# Altium PCB JTAG-批量下载V06.PcbDoc (part 5 of 13) (continued)
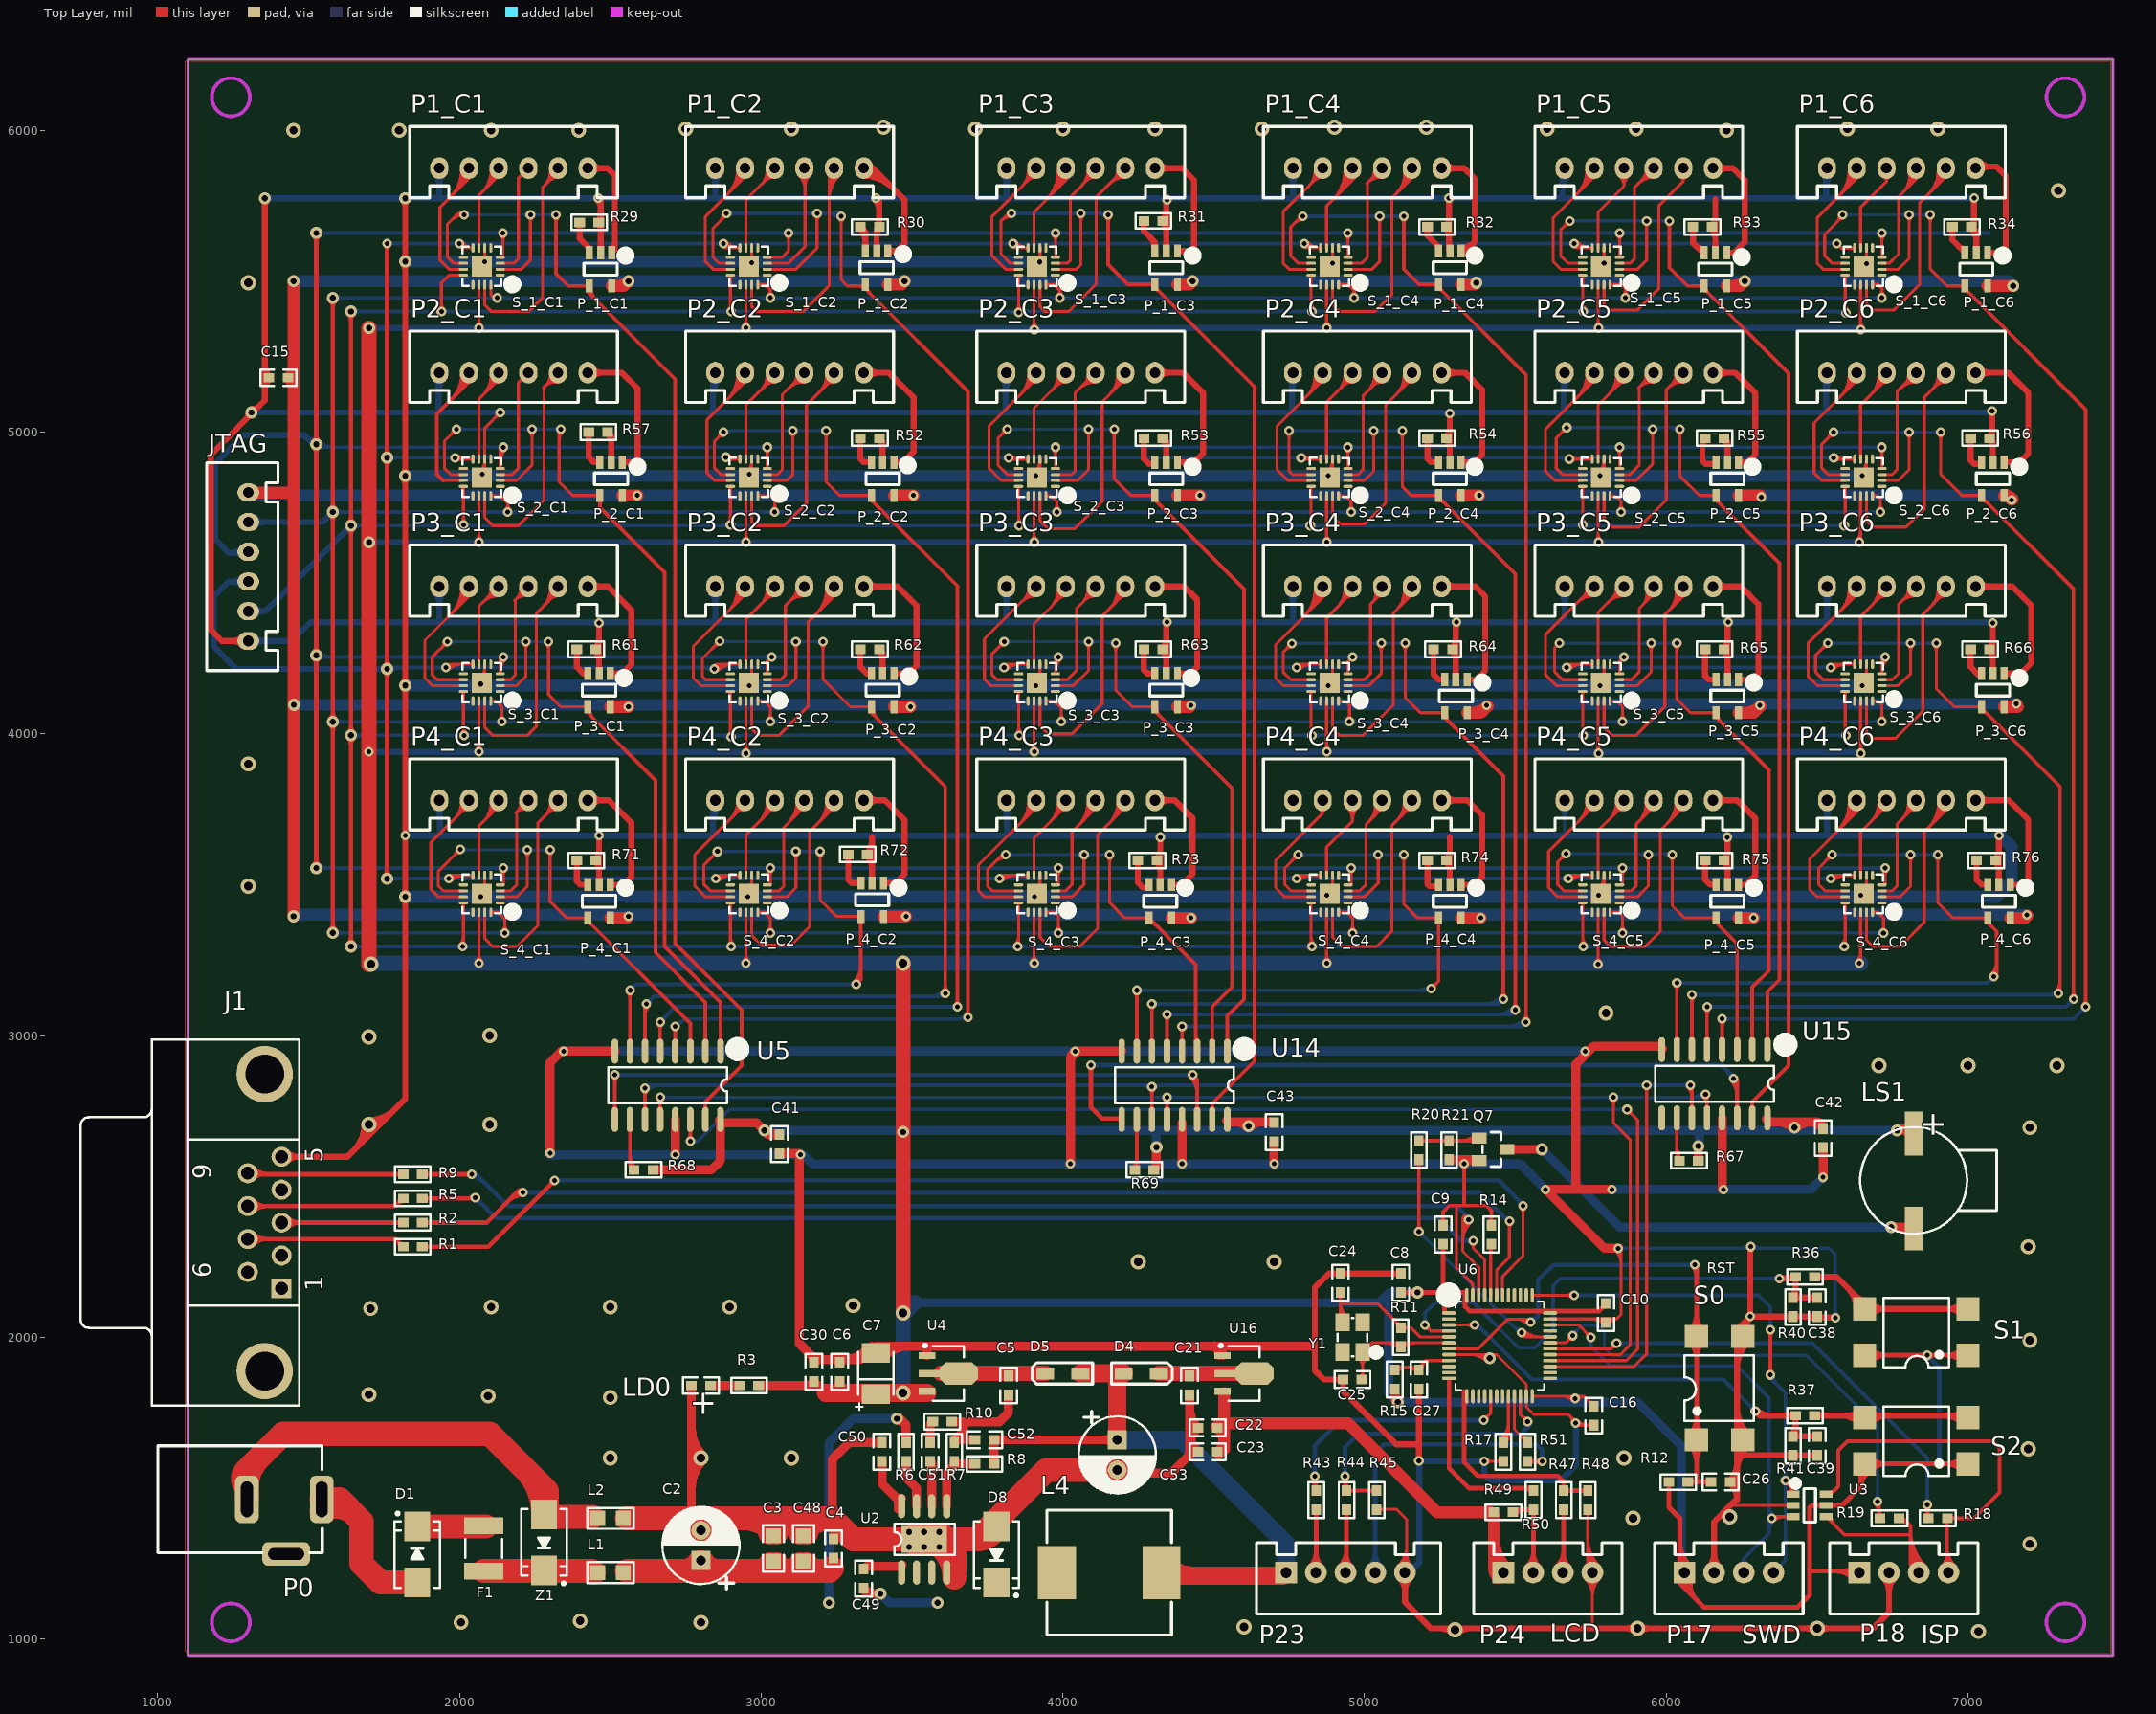
[diagram p0: Top Layer view]
## Nets (pads, with @x,y where several pads share a name; then routed paths per layer and width w, separated by ;. In a path a pad name is that pad's centre, name@x,y a point inside that pad or via, vN(x,y) a via of type N, cw(c..) or ccw(c..) an arc to the next point about the centre after c; other vN are vias at no path point) (continued)
  Top Layer w20: JTAG.6@1300,4307.87 1212.13,4307.87 1175,4345 1175,4925 1355,5105 v3(1355,5775) ; J1.5@1409.92,2598.11 1628.11,2598.11 1820,2790 v3(1820,5775) ; 1649.64,2619.64 ccw(c1564.29,2705) v2@1685,2705 ; 1683.79,2653.79 ccw(c1632.57,2705) v2@1705,2705 ; v2@1700,2700 ccw(c1700,2772.43) 1751.21,2721.21 ; v2@1700,2720 ccw(c1700,2840.71) 1785.36,2755.36 ; v1(2460,5775) 2467.6,5767.4 P_1_C1.2@2467.6,5595 ; P_4_C1.2@2462.6,3500 v1(2462.6,3662.6) ; P_3_C1.2@2462.6,4200 v1(2462.6,4367.6) ; R57.2@2491.5,5000 2502.6,4988.9 P_2_C1.2@2502.6,4900 ; P_4_C2.2@3367.6,3505 3367.6,3657.6 ; v1(3380,5775) 3391.5,5763.5 R30.2@3391.5,5680 3382.6,5671.1 P_1_C2.2@3382.6,5600 ; R62.2@3391.5,4280 3402.6,4268.9 P_3_C2.2@3402.6,4200 ; R52.2@3391.5,4980 3402.6,4968.9 P_2_C2.2@3402.6,4900 ; P_4_C3.2@4322.6,3500 v1(4322.6,3657.4) ; R63.2@4331.5,4280 R63.2@4342.6,4268.9 ; R53.2@4331.5,4980 4342.6,4968.9 P_2_C3.2@4342.6,4900 ; P_3_C3.2@4342.6,4200 v1@4342.6,4367.6 ; P_1_C3.2@4342.6,5600 v1@4342.6,5767.6 ; C8.2@5120,2211.5 4881.5,2211.5 4835,2165 4835,1890 4865,1860 C25.2@4928.5,1860 4928.5,1821.5 5105,1645 5180,1645 ; P23.5@5133.7,1220 5133.7,1121.3 5220,1035 6685,1035 6738.43,1088.43 P18.2@6738.43,1220 ; v1(5180,1590) C27.2@5180,1830 ; 5251.72,1035 cw(c5251.72,981.72) v2@5289.39,1019.39 ; R54.2@5271.5,4980 R54.2@5282.6,4968.9 ; P_1_C4.2@5280,5600 v1(5280,5775) ; P_4_C4.2@5282.6,3500 5282.6,3657.6 ; P_2_C4.2@5282.6,4900 v1(5282.6,5062.4) ; P_3_C4.2@5302.6,4180 v1@5302.6,4367.6 ; v2@5310.61,1019.39 cw(c5348.28,981.72) 5348.28,1035 ; v2@5894.39,1024.39 ccw(c5868.79,998.79) 5868.79,1035 ccw(c5868.79,1071.21) v2@5894.39,1045.61 ; v2@5915.61,1024.39 cw(c5941.21,998.79) 5941.21,1035 cw(c5941.21,1071.21) v2@5915.61,1045.61 ; P17.2@6158.43,1220 6158.43,1388.43 6209.97,1439.97 ; P_1_C5.2@6162.6,5595 6162.6,5772.4 ; 6166.88,1396.88 cw(c6200.9,1362.85) v2@6211.05,1409.89 ; R55.2@6191.5,4980 6202.6,4968.9 P_2_C5.2@6202.6,4900 ; P_4_C5.2@6202.6,3500 v1(6202.6,3657.4) ; P_3_C5.2@6202.6,4180 v1@6202.6,4367.6 ; C26.2@6211.5,1520 6235,1520 ; 6212.6,1442.6 6235,1465 S0.3@6235,2002.52 ; 6235,1608.5 C39.1@6500,1608.5 ; S0.3@6235,2025 v1(6278.5,2068.5) ; v1@6278.5,2296.5 v1(6278.5,2068.5) ; 6475,2065 v1(6560,2065) ; v2@6489.39,1024.39 ccw(c6463.79,998.79) 6463.79,1035 ccw(c6463.79,1071.21) v2@6489.39,1045.61 ; C38.1@6500,2068.5 v1(6278.5,2068.5) ; v2@6510.61,1024.39 cw(c6536.21,998.79) 6536.21,1035 cw(c6536.21,1071.21) v2@6510.61,1045.61 ; R34.2@7020,5680 v1(7020,5775) ; P_1_C6.2@7027.6,5595 7027.6,5663.9 ; v1(7080,5070) 7080,4971.5 7082.6,4968.9 P_2_C6.2@7082.6,4900 ; P_3_C6.2@7082.6,4200 v1(7082.6,4367.4) ; P_4_C6.2@7102.6,3500 v1(7102.6,3662.4) ; 1245.72,4307.87 ccw(c1245.72,4356.16) JTAG.6@1279.86,4322.02 ; 1245.72,4307.87 cw(c1245.72,4259.59) JTAG.6@1279.86,4293.73 ; 1245.72,4307.87 ccw(c1245.72,4356.16) JTAG.6@1279.86,4322.02 ; 1245.72,4307.87 cw(c1245.72,4259.59) JTAG.6@1279.86,4293.73 ; 1245.72,4307.87 ccw(c1245.72,4356.16) JTAG.6@1279.86,4322.02 ; 1245.72,4307.87 cw(c1245.72,4259.59) JTAG.6@1279.86,4293.73 ; 1289.39,5039.39 ccw(c1263.79,5065) v3@1300,5065 ; 1289.39,5039.39 ccw(c1263.79,5065) v3@1300,5065 ; 1289.39,5039.39 ccw(c1263.79,5065) v3@1300,5065 ; v3@1310,5075 ccw(c1310,5111.21) 1335.61,5085.61 ; v3@1310,5075 ccw(c1310,5111.21) 1335.61,5085.61 ; v3@1310,5075 ccw(c1310,5111.21) 1335.61,5085.61 ; v3@1347.93,5767.93 cw(c1330.86,5750.86) 1355,5750.86 ; v3@1347.93,5767.93 cw(c1330.86,5750.86) 1355,5750.86 ; v3@1347.93,5767.93 cw(c1330.86,5750.86) 1355,5750.86 ; 1355,5138.27 cw(c1408.26,5138.27) C15.2@1370.6,5175.94 ; 1355,5138.27 cw(c1408.26,5138.27) C15.2@1370.6,5175.94 ; 1355,5138.27 cw(c1408.26,5138.27) C15.2@1370.6,5175.94 ; 1355,5221.73 ccw(c1408.26,5221.73) C15.2@1370.6,5184.06 ; 1355,5221.73 ccw(c1408.26,5221.73) C15.2@1370.6,5184.06 ; 1355,5221.73 ccw(c1408.26,5221.73) C15.2@1370.6,5184.06 ; 1355,5750.86 cw(c1379.14,5750.86) v3@1362.07,5767.93 ; 1355,5750.86 cw(c1379.14,5750.86) v3@1362.07,5767.93 ; 1355,5750.86 cw(c1379.14,5750.86) v3@1362.07,5767.93 ; J1.5@1426.37,2581.66 cw(c1466.09,2541.94) 1466.09,2598.11 ; J1.5@1426.37,2581.66 cw(c1466.09,2541.94) 1466.09,2598.11 ; J1.5@1426.37,2581.66 cw(c1466.09,2541.94) 1466.09,2598.11 ; J1.5@1426.37,2614.56 ccw(c1466.09,2654.28) 1466.09,2598.11 ; J1.5@1426.37,2614.56 ccw(c1466.09,2654.28) 1466.09,2598.11 ; J1.5@1426.37,2614.56 ccw(c1466.09,2654.28) 1466.09,2598.11 ; v3@1812.93,3452.93 cw(c1795.86,3435.86) 1820,3435.86 ; v3@1812.93,3452.93 cw(c1795.86,3435.86) 1820,3435.86 ; v3@1812.93,3452.93 cw(c1795.86,3435.86) 1820,3435.86 ; v3@1812.93,3467.07 ccw(c1795.86,3484.14) 1820,3484.14 ; v3@1812.93,3467.07 ccw(c1795.86,3484.14) 1820,3484.14 ; v3@1812.93,3467.07 ccw(c1795.86,3484.14) 1820,3484.14 ; v3@1812.93,4152.93 cw(c1795.86,4135.86) 1820,4135.86 ; v3@1812.93,4152.93 cw(c1795.86,4135.86) 1820,4135.86 ; v3@1812.93,4152.93 cw(c1795.86,4135.86) 1820,4135.86 ; v3@1812.93,4167.07 ccw(c1795.86,4184.14) 1820,4184.14 ; v3@1812.93,4167.07 ccw(c1795.86,4184.14) 1820,4184.14 ; v3@1812.93,4167.07 ccw(c1795.86,4184.14) 1820,4184.14 ; v3@1812.93,4847.93 cw(c1795.86,4830.86) 1820,4830.86 ; v3@1812.93,4847.93 cw(c1795.86,4830.86) 1820,4830.86 ; v3@1812.93,4847.93 cw(c1795.86,4830.86) 1820,4830.86 ; v3@1812.93,4862.07 ccw(c1795.86,4879.14) 1820,4879.14 ; v3@1812.93,4862.07 ccw(c1795.86,4879.14) 1820,4879.14 ; v3@1812.93,4862.07 ccw(c1795.86,4879.14) 1820,4879.14 ; v3@1812.93,5557.93 cw(c1795.86,5540.86) 1820,5540.86 ; v3@1812.93,5557.93 cw(c1795.86,5540.86) 1820,5540.86 ; v3@1812.93,5557.93 cw(c1795.86,5540.86) 1820,5540.86 ; v3@1812.93,5572.07 ccw(c1795.86,5589.14) 1820,5589.14 ; v3@1812.93,5572.07 ccw(c1795.86,5589.14) 1820,5589.14 ; v3@1812.93,5572.07 ccw(c1795.86,5589.14) 1820,5589.14 ; v3@1812.93,5767.93 cw(c1795.86,5750.86) 1820,5750.86 ; v3@1812.93,5767.93 cw(c1795.86,5750.86) 1820,5750.86 ; v3@1812.93,5767.93 cw(c1795.86,5750.86) 1820,5750.86 ; 1820,3435.86 cw(c1844.14,3435.86) v3@1827.07,3452.93 ; 1820,3435.86 cw(c1844.14,3435.86) v3@1827.07,3452.93 ; 1820,3435.86 cw(c1844.14,3435.86) v3@1827.07,3452.93 ; 1820,3484.14 ccw(c1844.14,3484.14) v3@1827.07,3467.07 ; 1820,3484.14 ccw(c1844.14,3484.14) v3@1827.07,3467.07 ; 1820,3484.14 ccw(c1844.14,3484.14) v3@1827.07,3467.07 ; 1820,4135.86 cw(c1844.14,4135.86) v3@1827.07,4152.93 ; 1820,4135.86 cw(c1844.14,4135.86) v3@1827.07,4152.93 ; 1820,4135.86 cw(c1844.14,4135.86) v3@1827.07,4152.93 ; 1820,4184.14 ccw(c1844.14,4184.14) v3@1827.07,4167.07 ; 1820,4184.14 ccw(c1844.14,4184.14) v3@1827.07,4167.07 ; 1820,4184.14 ccw(c1844.14,4184.14) v3@1827.07,4167.07 ; 1820,4830.86 cw(c1844.14,4830.86) v3@1827.07,4847.93 ; 1820,4830.86 cw(c1844.14,4830.86) v3@1827.07,4847.93 ; 1820,4830.86 cw(c1844.14,4830.86) v3@1827.07,4847.93 ; 1820,4879.14 ccw(c1844.14,4879.14) v3@1827.07,4862.07 ; 1820,4879.14 ccw(c1844.14,4879.14) v3@1827.07,4862.07 ; 1820,4879.14 ccw(c1844.14,4879.14) v3@1827.07,4862.07 ; 1820,5540.86 cw(c1844.14,5540.86) v3@1827.07,5557.93 ; 1820,5540.86 cw(c1844.14,5540.86) v3@1827.07,5557.93 ; 1820,5540.86 cw(c1844.14,5540.86) v3@1827.07,5557.93 ; 1820,5589.14 ccw(c1844.14,5589.14) v3@1827.07,5572.07 ; 1820,5589.14 ccw(c1844.14,5589.14) v3@1827.07,5572.07 ; 1820,5589.14 ccw(c1844.14,5589.14) v3@1827.07,5572.07 ; 1820,5750.86 cw(c1844.14,5750.86) v3@1827.07,5767.93 ; 1820,5750.86 cw(c1844.14,5750.86) v3@1827.07,5767.93 ; 1820,5750.86 cw(c1844.14,5750.86) v3@1827.07,5767.93 ; R71.2@2449.4,3575.94 cw(c2417.54,3544.07) 2462.6,3544.07 ; R71.2@2449.4,3575.94 cw(c2417.54,3544.07) 2462.6,3544.07 ; R71.2@2449.4,3575.94 cw(c2417.54,3544.07) 2462.6,3544.07 ; R71.2@2449.4,3584.06 ccw(c2417.54,3615.93) 2462.6,3615.93 ; R71.2@2449.4,3584.06 ccw(c2417.54,3615.93) 2462.6,3615.93 ; R71.2@2449.4,3584.06 ccw(c2417.54,3615.93) 2462.6,3615.93 ; R61.2@2449.4,4275.94 cw(c2417.54,4244.07) 2462.6,4244.07 ; R61.2@2449.4,4275.94 cw(c2417.54,4244.07) 2462.6,4244.07 ; R61.2@2449.4,4275.94 cw(c2417.54,4244.07) 2462.6,4244.07 ; R61.2@2449.4,4284.06 ccw(c2417.54,4315.93) 2462.6,4315.93 ; R61.2@2449.4,4284.06 ccw(c2417.54,4315.93) 2462.6,4315.93 ; R61.2@2449.4,4284.06 ccw(c2417.54,4315.93) 2462.6,4315.93 ; v1@2455.76,5770.76 cw(c2427.17,5742.17) 2467.6,5742.17 ; v1@2455.76,5770.76 cw(c2427.17,5742.17) 2467.6,5742.17 ; v1@2455.76,5770.76 cw(c2427.17,5742.17) 2467.6,5742.17 ; R29.2@2459.4,5690.94 cw(c2439.61,5671.14) 2467.6,5671.14 ; R29.2@2459.4,5690.94 cw(c2439.61,5671.14) 2467.6,5671.14 ; R29.2@2459.4,5690.94 cw(c2439.61,5671.14) 2467.6,5671.14 ; R29.2@2459.4,5699.06 ccw(c2439.61,5718.86) 2467.6,5718.86 ; R29.2@2459.4,5699.06 ccw(c2439.61,5718.86) 2467.6,5718.86 ; R29.2@2459.4,5699.06 ccw(c2439.61,5718.86) 2467.6,5718.86 ; R57.2@2489.4,4995.94 cw(c2457.54,4964.07) 2502.6,4964.07 ; R57.2@2489.4,4995.94 cw(c2457.54,4964.07) 2502.6,4964.07 ; R57.2@2489.4,4995.94 cw(c2457.54,4964.07) 2502.6,4964.07 ; R72.2@3349.4,3595.94 cw(c3305.47,3552) 3367.6,3552 ; R72.2@3349.4,3595.94 cw(c3305.47,3552) 3367.6,3552 ; R72.2@3349.4,3595.94 cw(c3305.47,3552) 3367.6,3552 ; R72.2@3349.4,3604.06 ccw(c3305.47,3648) 3367.6,3648 ; R72.2@3349.4,3604.06 ccw(c3305.47,3648) 3367.6,3648 ; R72.2@3349.4,3604.06 ccw(c3305.47,3648) 3367.6,3648 ; v1@3375.76,5770.76 cw(c3337.76,5732.76) 3391.5,5732.76 ; v1@3375.76,5770.76 cw(c3337.76,5732.76) 3391.5,5732.76 ; v1@3375.76,5770.76 cw(c3337.76,5732.76) 3391.5,5732.76 ; 3382.6,5649.39 cw(c3420.13,5649.39) R30.2@3393.59,5675.94 ; 3382.6,5649.39 cw(c3420.13,5649.39) R30.2@3393.59,5675.94 ; 3382.6,5649.39 cw(c3420.13,5649.39) R30.2@3393.59,5675.94 ; R62.2@3389.4,4275.94 cw(c3357.54,4244.07) 3402.6,4244.07 ; R62.2@3389.4,4275.94 cw(c3357.54,4244.07) 3402.6,4244.07 ; R62.2@3389.4,4275.94 cw(c3357.54,4244.07) 3402.6,4244.07 ; R52.2@3389.4,4975.94 cw(c3357.54,4944.07) 3402.6,4944.07 ; R52.2@3389.4,4975.94 cw(c3357.54,4944.07) 3402.6,4944.07 ; R52.2@3389.4,4975.94 cw(c3357.54,4944.07) 3402.6,4944.07 ; R73.2@4309.4,3575.94 cw(c4277.54,3544.07) 4322.6,3544.07 ; R73.2@4309.4,3575.94 cw(c4277.54,3544.07) 4322.6,3544.07 ; R73.2@4309.4,3575.94 cw(c4277.54,3544.07) 4322.6,3544.07 ; R73.2@4309.4,3584.06 ccw(c4277.54,3615.93) 4322.6,3615.93 ; R73.2@4309.4,3584.06 ccw(c4277.54,3615.93) 4322.6,3615.93 ; R73.2@4309.4,3584.06 ccw(c4277.54,3615.93) 4322.6,3615.93 ; R63.2@4329.4,4275.94 cw(c4297.54,4244.07) 4342.6,4244.07 ; R63.2@4329.4,4275.94 cw(c4297.54,4244.07) 4342.6,4244.07 ; R63.2@4329.4,4275.94 cw(c4297.54,4244.07) 4342.6,4244.07 ; R63.2@4329.4,4284.06 ccw(c4297.54,4315.93) 4342.6,4315.93 ; R63.2@4329.4,4284.06 ccw(c4297.54,4315.93) 4342.6,4315.93 ; R63.2@4329.4,4284.06 ccw(c4297.54,4315.93) 4342.6,4315.93 ; R53.2@4329.4,4975.94 cw(c4297.54,4944.07) 4342.6,4944.07 ; R53.2@4329.4,4975.94 cw(c4297.54,4944.07) 4342.6,4944.07 ; R53.2@4329.4,4975.94 cw(c4297.54,4944.07) 4342.6,4944.07 ; R31.2@4329.4,5695.94 cw(c4297.54,5664.07) 4342.6,5664.07 ; R31.2@4329.4,5695.94 cw(c4297.54,5664.07) 4342.6,5664.07 ; R31.2@4329.4,5695.94 cw(c4297.54,5664.07) 4342.6,5664.07 ; R31.2@4329.4,5704.06 ccw(c4297.54,5735.93) 4342.6,5735.93 ; R31.2@4329.4,5704.06 ccw(c4297.54,5735.93) 4342.6,5735.93 ; R31.2@4329.4,5704.06 ccw(c4297.54,5735.93) 4342.6,5735.93 ; 4342.6,4349.72 cw(c4365.28,4349.72) v1@4349.24,4365.76 ; 4342.6,4349.72 cw(c4365.28,4349.72) v1@4349.24,4365.76 ; 4342.6,4349.72 cw(c4365.28,4349.72) v1@4349.24,4365.76 ; 4342.6,5749.72 cw(c4365.28,5749.72) v1@4349.24,5765.76 ; 4342.6,5749.72 cw(c4365.28,5749.72) v1@4349.24,5765.76 ; 4342.6,5749.72 cw(c4365.28,5749.72) v1@4349.24,5765.76 ; P23.5@5115.32,1201.62 cw(c5070.93,1157.23) 5133.7,1157.23 ; P23.5@5115.32,1201.62 cw(c5070.93,1157.23) 5133.7,1157.23 ; P23.5@5115.32,1201.62 cw(c5070.93,1157.23) 5133.7,1157.23 ; 5133.7,1157.23 cw(c5196.47,1157.23) P23.5@5152.08,1201.62 ; 5133.7,1157.23 cw(c5196.47,1157.23) P23.5@5152.08,1201.62 ; 5133.7,1157.23 cw(c5196.47,1157.23) P23.5@5152.08,1201.62 ; R74.2@5269.4,3575.94 cw(c5237.54,3544.07) 5282.6,3544.07 ; R74.2@5269.4,3575.94 cw(c5237.54,3544.07) 5282.6,3544.07 ; R74.2@5269.4,3575.94 cw(c5237.54,3544.07) 5282.6,3544.07 ; R74.2@5269.4,3584.06 ccw(c5237.54,3615.93) 5282.6,3615.93 ; R74.2@5269.4,3584.06 ccw(c5237.54,3615.93) 5282.6,3615.93 ; R74.2@5269.4,3584.06 ccw(c5237.54,3615.93) 5282.6,3615.93 ; R54.2@5269.4,4975.94 cw(c5237.54,4944.07) 5282.6,4944.07 ; R54.2@5269.4,4975.94 cw(c5237.54,4944.07) 5282.6,4944.07 ; R54.2@5269.4,4975.94 cw(c5237.54,4944.07) 5282.6,4944.07 ; R54.2@5269.4,4984.06 ccw(c5237.54,5015.93) 5282.6,5015.93 ; R54.2@5269.4,4984.06 ccw(c5237.54,5015.93) 5282.6,5015.93 ; R54.2@5269.4,4984.06 ccw(c5237.54,5015.93) 5282.6,5015.93 ; R32.2@5269.4,5675.94 cw(c5243.81,5650.35) 5280,5650.35 ; R32.2@5269.4,5675.94 cw(c5243.81,5650.35) 5280,5650.35 ; R32.2@5269.4,5675.94 cw(c5243.81,5650.35) 5280,5650.35 ; R32.2@5269.4,5684.06 ccw(c5243.81,5709.65) 5280,5709.65 ; R32.2@5269.4,5684.06 ccw(c5243.81,5709.65) 5280,5709.65 ; R32.2@5269.4,5684.06 ccw(c5243.81,5709.65) 5280,5709.65 ; R64.2@5289.4,4275.94 cw(c5257.54,4244.07) 5302.6,4244.07 ; R64.2@5289.4,4275.94 cw(c5257.54,4244.07) 5302.6,4244.07 ; R64.2@5289.4,4275.94 cw(c5257.54,4244.07) 5302.6,4244.07 ; R64.2@5289.4,4284.06 ccw(c5257.54,4315.93) 5302.6,4315.93 ; R64.2@5289.4,4284.06 ccw(c5257.54,4315.93) 5302.6,4315.93 ; R64.2@5289.4,4284.06 ccw(c5257.54,4315.93) 5302.6,4315.93 ; 5302.6,4349.72 cw(c5325.28,4349.72) v1@5309.24,4365.76 ; 5302.6,4349.72 cw(c5325.28,4349.72) v1@5309.24,4365.76 ; 5302.6,4349.72 cw(c5325.28,4349.72) v1@5309.24,4365.76 ; P17.2@6140.04,1238.38 ccw(c6095.66,1282.77) 6158.43,1282.77 ; P17.2@6140.04,1238.38 ccw(c6095.66,1282.77) 6158.43,1282.77 ; P17.2@6140.04,1238.38 ccw(c6095.66,1282.77) 6158.43,1282.77 ; R33.2@6149.4,5675.94 cw(c6117.54,5644.07) 6162.6,5644.07 ; R33.2@6149.4,5675.94 cw(c6117.54,5644.07) 6162.6,5644.07 ; R33.2@6149.4,5675.94 cw(c6117.54,5644.07) 6162.6,5644.07 ; R33.2@6149.4,5684.06 ccw(c6117.54,5715.93) 6162.6,5715.93 ; R33.2@6149.4,5684.06 ccw(c6117.54,5715.93) 6162.6,5715.93 ; R33.2@6149.4,5684.06 ccw(c6117.54,5715.93) 6162.6,5715.93 ; 6158.43,1282.77 ccw(c6221.19,1282.77) P17.2@6176.81,1238.38 ; 6158.43,1282.77 ccw(c6221.19,1282.77) P17.2@6176.81,1238.38 ; 6158.43,1282.77 ccw(c6221.19,1282.77) P17.2@6176.81,1238.38 ; R75.2@6189.4,3575.94 cw(c6157.54,3544.07) 6202.6,3544.07 ; R75.2@6189.4,3575.94 cw(c6157.54,3544.07) 6202.6,3544.07 ; R75.2@6189.4,3575.94 cw(c6157.54,3544.07) 6202.6,3544.07 ; R75.2@6189.4,3584.06 ccw(c6157.54,3615.93) 6202.6,3615.93 ; R75.2@6189.4,3584.06 ccw(c6157.54,3615.93) 6202.6,3615.93 ; R75.2@6189.4,3584.06 ccw(c6157.54,3615.93) 6202.6,3615.93 ; R65.2@6189.4,4275.94 cw(c6157.54,4244.07) 6202.6,4244.07 ; R65.2@6189.4,4275.94 cw(c6157.54,4244.07) 6202.6,4244.07 ; R65.2@6189.4,4275.94 cw(c6157.54,4244.07) 6202.6,4244.07 ; R65.2@6189.4,4284.06 ccw(c6157.54,4315.93) 6202.6,4315.93 ; R65.2@6189.4,4284.06 ccw(c6157.54,4315.93) 6202.6,4315.93 ; R65.2@6189.4,4284.06 ccw(c6157.54,4315.93) 6202.6,4315.93 ; R55.2@6189.4,4975.94 cw(c6157.54,4944.07) 6202.6,4944.07 ; R55.2@6189.4,4975.94 cw(c6157.54,4944.07) 6202.6,4944.07 ; R55.2@6189.4,4975.94 cw(c6157.54,4944.07) 6202.6,4944.07 ; 6202.6,4349.72 cw(c6225.28,4349.72) v1@6209.24,4365.76 ; 6202.6,4349.72 cw(c6225.28,4349.72) v1@6209.24,4365.76 ; 6202.6,4349.72 cw(c6225.28,4349.72) v1@6209.24,4365.76 ; C26.2@6209.4,1524.06 ccw(c6147.6,1585.87) 6235,1585.87 ; C26.2@6209.4,1524.06 ccw(c6147.6,1585.87) 6235,1585.87 ; C26.2@6209.4,1524.06 ccw(c6147.6,1585.87) 6235,1585.87 ; C26.2@6209.74,1515.62 cw(c6163.18,1460.94) 6235,1460.94 ; C26.2@6209.74,1515.62 cw(c6163.18,1460.94) 6235,1460.94 ; C26.2@6209.74,1515.62 cw(c6163.18,1460.94) 6235,1460.94 ; C26.2@6222.7,1530.85 cw(c6200.04,1504.23) 6235,1504.23 ; C26.2@6222.7,1530.85 cw(c6200.04,1504.23) 6235,1504.23 ; C26.2@6222.7,1530.85 cw(c6200.04,1504.23) 6235,1504.23 ; C26.2@6223.54,1509.92 ccw(c6195.88,1537.58) 6235,1537.58 ; C26.2@6223.54,1509.92 ccw(c6195.88,1537.58) 6235,1537.58 ; C26.2@6223.54,1509.92 ccw(c6195.88,1537.58) 6235,1537.58 ; 6235,1553.83 cw(c6357.74,1553.83) S0.4@6270.95,1640.62 ; 6235,1553.83 cw(c6357.74,1553.83) S0.4@6270.95,1640.62 ; 6235,1553.83 cw(c6357.74,1553.83) S0.4@6270.95,1640.62 ; 6235,1602.12 cw(c6309.46,1602.12) S0.4@6256.81,1654.77 ; 6235,1602.12 cw(c6309.46,1602.12) S0.4@6256.81,1654.77 ; 6235,1602.12 cw(c6309.46,1602.12) S0.4@6256.81,1654.77 ; 6235,1717.88 ccw(c6309.46,1717.88) S0.4@6256.81,1665.23 ; 6235,1717.88 ccw(c6309.46,1717.88) S0.4@6256.81,1665.23 ; 6235,1717.88 ccw(c6309.46,1717.88) S0.4@6256.81,1665.23 ; 6235,1766.17 ccw(c6357.74,1766.17) S0.4@6270.95,1679.38 ; 6235,1766.17 ccw(c6357.74,1766.17) S0.4@6270.95,1679.38 ; 6235,1766.17 ccw(c6357.74,1766.17) S0.4@6270.95,1679.38 ; 6235,1896.35 cw(c6357.74,1896.35) S0.3@6270.95,1983.14 ; 6235,1896.35 cw(c6357.74,1896.35) S0.3@6270.95,1983.14 ; 6235,1896.35 cw(c6357.74,1896.35) S0.3@6270.95,1983.14 ; 6235,1944.64 cw(c6309.46,1944.64) S0.3@6256.81,1997.29 ; 6235,1944.64 cw(c6309.46,1944.64) S0.3@6256.81,1997.29 ; 6235,1944.64 cw(c6309.46,1944.64) S0.3@6256.81,1997.29 ; S0.3@6261.17,2007.29 cw(c6287.07,2029.14) 6263.11,2053.11 ; S0.3@6261.17,2007.29 cw(c6287.07,2029.14) 6263.11,2053.11 ; S0.3@6261.17,2007.29 cw(c6287.07,2029.14) 6263.11,2053.11 ; S0.3@6276.46,2020.19 cw(c6303.77,2043.23) v1(6278.5,2068.5) ; S0.3@6276.46,2020.19 cw(c6303.77,2043.23) v1(6278.5,2068.5) ; S0.3@6276.46,2020.19 cw(c6303.77,2043.23) v1(6278.5,2068.5) ; 6278.5,2281.9 cw(c6298.1,2281.9) v1@6284.24,2295.76 ; 6278.5,2281.9 cw(c6298.1,2281.9) v1@6284.24,2295.76 ; 6278.5,2281.9 cw(c6298.1,2281.9) v1@6284.24,2295.76 ; 6482.42,2065 ccw(c6482.42,2084.12) C38.1@6495.94,2070.6 ; 6482.42,2065 ccw(c6482.42,2084.12) C38.1@6495.94,2070.6 ; 6482.42,2065 ccw(c6482.42,2084.12) C38.1@6495.94,2070.6 ; C38.1@6504.06,2070.6 ccw(c6517.58,2084.12) 6517.58,2065 ; C38.1@6504.06,2070.6 ccw(c6517.58,2084.12) 6517.58,2065 ; C38.1@6504.06,2070.6 ccw(c6517.58,2084.12) 6517.58,2065 ; P18.2@6720.04,1201.62 cw(c6675.66,1157.23) 6738.43,1157.23 ; P18.2@6720.04,1201.62 cw(c6675.66,1157.23) 6738.43,1157.23 ; P18.2@6720.04,1201.62 cw(c6675.66,1157.23) 6738.43,1157.23 ; 6738.43,1157.23 cw(c6801.19,1157.23) P18.2@6756.81,1201.62 ; 6738.43,1157.23 cw(c6801.19,1157.23) P18.2@6756.81,1201.62 ; 6738.43,1157.23 cw(c6801.19,1157.23) P18.2@6756.81,1201.62 ; R34.2@7009.4,5675.94 cw(c6965.47,5632) 7027.6,5632 ; R34.2@7009.4,5675.94 cw(c6965.47,5632) 7027.6,5632 ; R34.2@7009.4,5675.94 cw(c6965.47,5632) 7027.6,5632 ; R34.2@7009.4,5684.06 ccw(c6983.81,5709.65) 7020,5709.65 ; R34.2@7009.4,5684.06 ccw(c6983.81,5709.65) 7020,5709.65 ; R34.2@7009.4,5684.06 ccw(c6983.81,5709.65) 7020,5709.65 ; R34.2@7013.04,5674.27 cw(c7011.86,5658.57) 7027.6,5658.57 ; R34.2@7013.04,5674.27 cw(c7011.86,5658.57) 7027.6,5658.57 ; R34.2@7013.04,5674.27 cw(c7011.86,5658.57) 7027.6,5658.57 ; R66.2@7069.4,4275.94 cw(c7037.54,4244.07) 7082.6,4244.07 ; R66.2@7069.4,4275.94 cw(c7037.54,4244.07) 7082.6,4244.07 ; R66.2@7069.4,4275.94 cw(c7037.54,4244.07) 7082.6,4244.07 ; R66.2@7069.4,4284.06 ccw(c7037.54,4315.93) 7082.6,4315.93 ; R66.2@7069.4,4284.06 ccw(c7037.54,4315.93) 7082.6,4315.93 ; R66.2@7069.4,4284.06 ccw(c7037.54,4315.93) 7082.6,4315.93 ; R56.2@7069.4,4975.94 cw(c7037.54,4944.07) 7082.6,4944.07 ; R56.2@7069.4,4975.94 cw(c7037.54,4944.07) 7082.6,4944.07 ; R56.2@7069.4,4975.94 cw(c7037.54,4944.07) 7082.6,4944.07 ; R56.2@7069.4,4984.06 ccw(c7043.81,5009.65) 7080,5009.65 ; R56.2@7069.4,4984.06 ccw(c7043.81,5009.65) 7080,5009.65 ; R56.2@7069.4,4984.06 ccw(c7043.81,5009.65) 7080,5009.65 ; R76.2@7089.4,3575.94 cw(c7057.54,3544.07) 7102.6,3544.07 ; R76.2@7089.4,3575.94 cw(c7057.54,3544.07) 7102.6,3544.07 ; R76.2@7089.4,3575.94 cw(c7057.54,3544.07) 7102.6,3544.07 ; R76.2@7089.4,3584.06 ccw(c7057.54,3615.93) 7102.6,3615.93 ; R76.2@7089.4,3584.06 ccw(c7057.54,3615.93) 7102.6,3615.93 ; R76.2@7089.4,3584.06 ccw(c7057.54,3615.93) 7102.6,3615.93
  Top Layer w30: v1(2300,2610) 2300,2910 2338.19,2948.19 U5.8@2515,2948.19 ; v1@2715,2610 U5.13@2715,2721.81 ; 2768.5,1499.82 cw(c2900.18,1499.82) v2@2807.07,1592.93 ; 2768.5,1572.25 cw(c2827.75,1572.25) v2@2785.86,1614.14 ; 2768.5,1627.75 ccw(c2827.75,1627.75) v2@2785.86,1585.86 ; 2768.5,1700.18 ccw(c2900.18,1700.18) v2@2807.07,1607.07 ; LD0.2@2768.5,1840 2768.5,1401.5 2770,1400 ; C41.2@3060,2608.5 3126.5,2608.5 3126.5,1978.5 C30.2@3180,1925 ; C30.2@3170,1925 3320,1925 ; 3235,1400 3235,1595 3291.5,1651.5 C50.2@3400,1651.5 ; C7.2@3365,1970 3320,1925 ; C7.2@3380,1970 4825,1970 ; U4.1@3549.13,1939.06 3549.13,1969.13 ; R10.1@3631.5,1720 3790,1720 3820,1750 C5.2@3820,1808.5 ; R7.1@3640,1660 C52.2@3708.5,1660 ; 3670,1660 3670,1715 ; 3675,1720 3670,1715 ; v1(4025,2575) 4025,2925 4048.19,2948.19 U14.8@4195,2948.19 ; C53.2@4195,1550 4360,1550 4420,1610 C21.2@4420,1808.5 ; v1(4395,2575) U14.13@4395,2710 ; 4505,1970 4529.13,1945.87 U16.1@4529.13,1939.06 ; v1(4700,2575) C43.2@4700,2648.5 ; R21.1@5280,2588.5 Q7.2@5376.69,2588.5 ; 5700,2495 5700,2905 5760,2965 U15.8@5975,2965 ; v1(5820,2490) v1(5600,2490) 5795,2295 v1(5840,2295) ; v1@6185,2490 U15.13@6185,2726.81 ; v1(6520,2530) C42.2@6520,2615 ; 3165.57,1939.43 cw(c3144.6,1918.46) C30.2@3174.25,1918.46 ; 3165.57,1939.43 cw(c3144.6,1918.46) C30.2@3174.25,1918.46 ; 3165.57,1939.43 cw(c3144.6,1918.46) C30.2@3174.25,1918.46 ; C30.2@3175.53,1917.94 cw(c3192.58,1900.88) 3192.58,1925 ; C30.2@3175.53,1917.94 cw(c3192.58,1900.88) 3192.58,1925 ; C30.2@3175.53,1917.94 cw(c3192.58,1900.88) 3192.58,1925 ; 3242.42,1925 cw(c3242.42,1900.88) C6.2@3259.47,1917.94 ; 3242.42,1925 cw(c3242.42,1900.88) C6.2@3259.47,1917.94 ; 3242.42,1925 cw(c3242.42,1900.88) C6.2@3259.47,1917.94 ; C6.2@3260.53,1917.94 cw(c3277.58,1900.88) 3277.58,1925 ; C6.2@3260.53,1917.94 cw(c3277.58,1900.88) 3277.58,1925 ; C6.2@3260.53,1917.94 cw(c3277.58,1900.88) 3277.58,1925 ; C6.2@3267.72,1925 ccw(c3267.72,2045.43) C7.2@3352.88,1960.27 ; C6.2@3267.72,1925 ccw(c3267.72,2045.43) C7.2@3352.88,1960.27 ; C6.2@3267.72,1925 ccw(c3267.72,2045.43) C7.2@3352.88,1960.27 ; 3320,1925 ccw(c3320,1953.04) C7.2@3347.87,1949.88 ; 3320,1925 ccw(c3320,1953.04) C7.2@3347.87,1949.88 ; 3320,1925 ccw(c3320,1953.04) C7.2@3347.87,1949.88 ; C7.2@3407.12,1935.55 cw(c3490.29,1852.39) 3490.29,1970 ; C7.2@3407.12,1935.55 cw(c3490.29,1852.39) 3490.29,1970 ; C7.2@3407.12,1935.55 cw(c3490.29,1852.39) 3490.29,1970 ; R7.1@3639.55,1654.06 ccw(c3593.81,1715) 3670,1715 ; R7.1@3639.55,1654.06 ccw(c3593.81,1715) 3670,1715 ; R7.1@3639.55,1654.06 ccw(c3593.81,1715) 3670,1715 ; R7.1@3640.53,1652.94 cw(c3657.58,1635.88) 3657.58,1660 ; R7.1@3640.53,1652.94 cw(c3657.58,1635.88) 3657.58,1660 ; R7.1@3640.53,1652.94 cw(c3657.58,1635.88) 3657.58,1660 ; 4025,2909.56 cw(c4078.63,2909.56) v1@4040.71,2947.48 ; 4025,2909.56 cw(c4078.63,2909.56) v1@4040.71,2947.48 ; 4025,2909.56 cw(c4078.63,2909.56) v1@4040.71,2947.48 ; 4025,2920.57 cw(c4055.83,2920.57) v1@4040.5,2947.32 ; 4025,2920.57 cw(c4055.83,2920.57) v1@4040.5,2947.32 ; 4025,2920.57 cw(c4055.83,2920.57) v1@4040.5,2947.32 ; 4032.5,2932.5 ccw(c4016.82,2948.19) v1@4039,2948.19 ; 4032.5,2932.5 ccw(c4016.82,2948.19) v1@4039,2948.19 ; 4032.5,2932.5 ccw(c4016.82,2948.19) v1@4039,2948.19 ; C53.2@4191.66,1571.66 ccw(c4243.97,1623.97) 4243.97,1550 ; C53.2@4191.66,1571.66 ccw(c4243.97,1623.97) 4243.97,1550 ; C53.2@4191.66,1571.66 ccw(c4243.97,1623.97) 4243.97,1550 ; 4417.03,1607.03 cw(c4446.54,1577.53) C23.1@4446.54,1619.25 ; 4417.03,1607.03 cw(c4446.54,1577.53) C23.1@4446.54,1619.25 ; 4417.03,1607.03 cw(c4446.54,1577.53) C23.1@4446.54,1619.25 ; 4417.03,1607.03 cw(c4446.54,1577.53) C23.1@4446.54,1619.25 ; 4417.03,1607.03 cw(c4446.54,1577.53) C23.1@4446.54,1619.25 ; 4417.03,1607.03 cw(c4446.54,1577.53) C23.1@4446.54,1619.25 ; 4420,1634.13 cw(c4512.4,1634.13) C22.2@4447.06,1699.47 ; 4420,1634.13 cw(c4512.4,1634.13) C22.2@4447.06,1699.47 ; 4420,1634.13 cw(c4512.4,1634.13) C22.2@4447.06,1699.47 ; 4420,1685.87 ccw(c4512.4,1685.87) C23.1@4447.06,1620.53 ; 4420,1685.87 ccw(c4512.4,1685.87) C23.1@4447.06,1620.53 ; 4420,1685.87 ccw(c4512.4,1685.87) C23.1@4447.06,1620.53 ; 4420,1765.87 ccw(c4512.4,1765.87) C22.2@4447.06,1700.53 ; 4420,1765.87 ccw(c4512.4,1765.87) C22.2@4447.06,1700.53 ; 4420,1765.87 ccw(c4512.4,1765.87) C22.2@4447.06,1700.53 ; 4502.88,1972.12 cw(c4469.81,1939.06) U16.1@4516.57,1939.06 ; 4502.88,1972.12 cw(c4469.81,1939.06) U16.1@4516.57,1939.06 ; 4502.88,1972.12 cw(c4469.81,1939.06) U16.1@4516.57,1939.06 ; R21.1@5294.98,2588.5 cw(c5294.98,2539.98) v1@5329.29,2574.29 ; R21.1@5294.98,2588.5 cw(c5294.98,2539.98) v1@5329.29,2574.29 ; R21.1@5294.98,2588.5 cw(c5294.98,2539.98) v1@5329.29,2574.29 ; v1@5330.71,2574.29 cw(c5365.02,2539.98) Q7.2@5365.02,2588.5 ; v1@5330.71,2574.29 cw(c5365.02,2539.98) Q7.2@5365.02,2588.5 ; v1@5330.71,2574.29 cw(c5365.02,2539.98) Q7.2@5365.02,2588.5 ; 5722.06,2927.06 ccw(c5700.93,2948.19) v1@5730.81,2948.19 ; 5722.06,2927.06 ccw(c5700.93,2948.19) v1@5730.81,2948.19 ; 5722.06,2927.06 ccw(c5700.93,2948.19) v1@5730.81,2948.19 ; v1@5731.81,2949.19 ccw(c5731.81,2979.07) 5752.94,2957.94 ; v1@5731.81,2949.19 ccw(c5731.81,2979.07) 5752.94,2957.94 ; v1@5731.81,2949.19 ccw(c5731.81,2979.07) 5752.94,2957.94 ; 5966.56,2965 cw(c5966.56,2934.75) U15.8@5987.95,2956.14 ; 5966.56,2965 cw(c5966.56,2934.75) U15.8@5987.95,2956.14 ; 5966.56,2965 cw(c5966.56,2934.75) U15.8@5987.95,2956.14
  Top Layer w80: L2.1@2555,1400 3235,1400 ; U2.9@3505,1330 3305,1330 3235,1400 ; U2.9@3560,1330 3715,1330 ; U2.9@3567.61,1325.61 cw(c3501.34,1203.81) 3640,1203.81 ; 3640,1225 3640,1320 ; C53.2@4180,1560 3945,1560 3715,1330 ; 2723.96,1400 cw(c2723.96,1283.96) C2.2@2806.01,1366.01 ; 2723.96,1400 cw(c2723.96,1283.96) C2.2@2806.01,1366.01 ; 2723.96,1400 cw(c2723.96,1283.96) C2.2@2806.01,1366.01 ; C2.2@2793.99,1366.01 cw(c2876.04,1283.96) 2876.04,1400 ; C2.2@2793.99,1366.01 cw(c2876.04,1283.96) 2876.04,1400 ; C2.2@2793.99,1366.01 cw(c2876.04,1283.96) 2876.04,1400 ; 2936.86,1400 cw(c2936.86,1239.13) C3.2@3050.61,1352.88 ; 2936.86,1400 cw(c2936.86,1239.13) C3.2@3050.61,1352.88 ; 2936.86,1400 cw(c2936.86,1239.13) C3.2@3050.61,1352.88 ; C3.2@3029.39,1352.88 cw(c3143.14,1239.13) 3143.14,1400 ; C3.2@3029.39,1352.88 cw(c3143.14,1239.13) 3143.14,1400 ; C3.2@3029.39,1352.88 cw(c3143.14,1239.13) 3143.14,1400 ; 3036.86,1400 cw(c3036.86,1239.13) C48.2@3150.61,1352.88 ; 3036.86,1400 cw(c3036.86,1239.13) C48.2@3150.61,1352.88 ; 3036.86,1400 cw(c3036.86,1239.13) C48.2@3150.61,1352.88 ; C48.2@3128.78,1352.23 cw(c3234.99,1258.03) 3234.99,1400 ; C48.2@3128.78,1352.23 cw(c3234.99,1258.03) 3234.99,1400 ; C48.2@3128.78,1352.23 cw(c3234.99,1258.03) 3234.99,1400 ; U2.9@3477.93,1330 ccw(c3477.93,1367.07) U2.9@3504.14,1340.86 ; U2.9@3477.93,1330 cw(c3477.93,1292.93) U2.9@3504.14,1319.14 ; U2.9@3477.93,1330 ccw(c3477.93,1367.07) U2.9@3504.14,1340.86 ; U2.9@3477.93,1330 cw(c3477.93,1292.93) U2.9@3504.14,1319.14 ; U2.9@3477.93,1330 ccw(c3477.93,1367.07) U2.9@3504.14,1340.86 ; U2.9@3477.93,1330 cw(c3477.93,1292.93) U2.9@3504.14,1319.14 ; U2.9@3525.86,1319.14 cw(c3552.07,1292.93) U2.9@3552.07,1330 ; U2.9@3525.86,1319.14 cw(c3552.07,1292.93) U2.9@3552.07,1330 ; U2.9@3525.86,1319.14 cw(c3552.07,1292.93) U2.9@3552.07,1330 ; U2.9@3525.86,1319.14 cw(c3552.07,1292.93) U2.9@3552.07,1330 ; U2.9@3525.86,1319.14 cw(c3552.07,1292.93) U2.9@3552.07,1330 ; U2.9@3525.86,1319.14 cw(c3552.07,1292.93) U2.9@3552.07,1330 ; U2.9@3525.86,1340.86 ccw(c3552.07,1367.07) U2.9@3552.07,1330 ; U2.9@3525.86,1340.86 ccw(c3552.07,1367.07) U2.9@3552.07,1330 ; U2.9@3525.86,1340.86 ccw(c3552.07,1367.07) U2.9@3552.07,1330 ; U2.9@3525.86,1340.86 ccw(c3552.07,1367.07) U2.9@3552.07,1330 ; U2.9@3525.86,1340.86 ccw(c3552.07,1367.07) U2.9@3552.07,1330 ; U2.9@3525.86,1340.86 ccw(c3552.07,1367.07) U2.9@3552.07,1330 ; U2.9@3527.93,1330 cw(c3527.93,1292.93) U2.9@3554.14,1319.14 ; U2.9@3527.93,1330 cw(c3527.93,1292.93) U2.9@3554.14,1319.14 ; U2.9@3527.93,1330 ccw(c3527.93,1367.07) U2.9@3554.14,1340.86 ; U2.9@3527.93,1330 ccw(c3527.93,1367.07) U2.9@3554.14,1340.86 ; U2.9@3527.93,1330 cw(c3527.93,1292.93) U2.9@3554.14,1319.14 ; U2.9@3527.93,1330 cw(c3527.93,1292.93) U2.9@3554.14,1319.14 ; U2.9@3527.93,1330 ccw(c3527.93,1367.07) U2.9@3554.14,1340.86 ; U2.9@3527.93,1330 ccw(c3527.93,1367.07) U2.9@3554.14,1340.86 ; U2.9@3527.93,1330 cw(c3527.93,1292.93) U2.9@3554.14,1319.14 ; U2.9@3527.93,1330 cw(c3527.93,1292.93) U2.9@3554.14,1319.14 ; U2.9@3527.93,1330 ccw(c3527.93,1367.07) U2.9@3554.14,1340.86 ; U2.9@3527.93,1330 ccw(c3527.93,1367.07) U2.9@3554.14,1340.86 ; U2.9@3575.86,1319.14 cw(c3602.07,1292.93) U2.9@3602.07,1330 ; U2.9@3575.86,1319.14 cw(c3602.07,1292.93) U2.9@3602.07,1330 ; U2.9@3575.86,1319.14 cw(c3602.07,1292.93) U2.9@3602.07,1330 ; U2.9@3575.86,1340.86 ccw(c3602.07,1367.07) U2.9@3602.07,1330 ; U2.9@3575.86,1340.86 ccw(c3602.07,1367.07) U2.9@3602.07,1330 ; U2.9@3575.86,1340.86 ccw(c3602.07,1367.07) U2.9@3602.07,1330 ; U2.9@3577.93,1330 cw(c3577.93,1292.93) U2.9@3604.14,1319.14 ; U2.9@3577.93,1330 ccw(c3577.93,1367.07) U2.9@3604.14,1340.86 ; U2.9@3577.93,1330 cw(c3577.93,1292.93) U2.9@3604.14,1319.14 ; U2.9@3577.93,1330 ccw(c3577.93,1367.07) U2.9@3604.14,1340.86 ; U2.9@3577.93,1330 cw(c3577.93,1292.93) U2.9@3604.14,1319.14 ; U2.9@3577.93,1330 ccw(c3577.93,1367.07) U2.9@3604.14,1340.86 ; U2.9@3604.14,1319.14 cw(c3517.57,1232.57) 3640,1232.57 ; U2.9@3604.14,1319.14 cw(c3517.57,1232.57) 3640,1232.57 ; U2.9@3604.14,1319.14 cw(c3517.57,1232.57) 3640,1232.57 ; 3683.62,1330 ccw(c3683.62,1462.99) D8.1@3777.66,1368.95 ; 3683.62,1330 ccw(c3683.62,1462.99) D8.1@3777.66,1368.95 ; 3683.62,1330 ccw(c3683.62,1462.99) D8.1@3777.66,1368.95 ; 3715,1330 ccw(c3715,1399.57) D8.1@3777.05,1368.11 ; 3715,1330 ccw(c3715,1399.57) D8.1@3777.05,1368.11 ; 3715,1330 ccw(c3715,1399.57) D8.1@3777.05,1368.11 ; 3725.9,1340.9 cw(c3780,1286.79) D8.1@3780,1363.31 ; 3725.9,1340.9 cw(c3780,1286.79) D8.1@3780,1363.31 ; 3725.9,1340.9 cw(c3780,1286.79) D8.1@3780,1363.31
  Bottom Layer w10: 5662.87,3664.72 P4_C5.6@5662.87,3779.53 ; v1(5840,2295) 6540,2295 6560,2275 v1(6560,2065) ; P4_C5.6@5645.2,3755.85 cw(c5602.52,3713.17) 5662.87,3713.17 ; P4_C5.6@5645.2,3755.85 cw(c5602.52,3713.17) 5662.87,3713.17 ; P4_C5.6@5645.2,3755.85 cw(c5602.52,3713.17) 5662.87,3713.17 ; P4_C5.6@5652.27,3762.92 cw(c5626.66,3737.31) 5662.87,3737.31 ; P4_C5.6@5652.27,3762.92 cw(c5626.66,3737.31) 5662.87,3737.31 ; P4_C5.6@5652.27,3762.92 cw(c5626.66,3737.31) 5662.87,3737.31 ; 5662.87,3713.17 cw(c5723.23,3713.17) P4_C5.6@5680.55,3755.85 ; 5662.87,3713.17 cw(c5723.23,3713.17) P4_C5.6@5680.55,3755.85 ; 5662.87,3713.17 cw(c5723.23,3713.17) P4_C5.6@5680.55,3755.85 ; 5662.87,3737.31 cw(c5699.09,3737.31) P4_C5.6@5673.48,3762.92 ; 5662.87,3737.31 cw(c5699.09,3737.31) P4_C5.6@5673.48,3762.92 ; 5662.87,3737.31 cw(c5699.09,3737.31) P4_C5.6@5673.48,3762.92 ; v1@5847.78,2287.22 cw(c5866.56,2268.44) 5866.56,2295 ; v1@5847.78,2287.22 cw(c5866.56,2268.44) 5866.56,2295 ; v1@5847.78,2287.22 cw(c5866.56,2268.44) 5866.56,2295 ; v1@5847.78,2302.78 ccw(c5866.56,2321.56) 5866.56,2295 ; v1@5847.78,2302.78 ccw(c5866.56,2321.56) 5866.56,2295 ; v1@5847.78,2302.78 ccw(c5866.56,2321.56) 5866.56,2295 ; 6241.37,2295 ccw(c6241.37,2338.63) v1@6272.22,2307.78 ; 6241.37,2295 ccw(c6241.37,2338.63) v1@6272.22,2307.78 ; 6241.37,2295 ccw(c6241.37,2338.63) v1@6272.22,2307.78 ; v1@6287.78,2307.78 ccw(c6318.63,2338.63) 6318.63,2295 ; v1@6287.78,2307.78 ccw(c6318.63,2338.63) 6318.63,2295 ; v1@6287.78,2307.78 ccw(c6318.63,2338.63) 6318.63,2295 ; v1@6552.22,2072.78 ccw(c6533.44,2091.56) 6560,2091.56 ; v1@6552.22,2072.78 ccw(c6533.44,2091.56) 6560,2091.56 ; v1@6552.22,2072.78 ccw(c6533.44,2091.56) 6560,2091.56 ; 6560,2091.56 ccw(c6586.56,2091.56) v1@6567.78,2072.78 ; 6560,2091.56 ccw(c6586.56,2091.56) v1@6567.78,2072.78 ; 6560,2091.56 ccw(c6586.56,2091.56) v1@6567.78,2072.78